# KiCad board AmigaPCI Mainboard.kicad_pcb (continued)
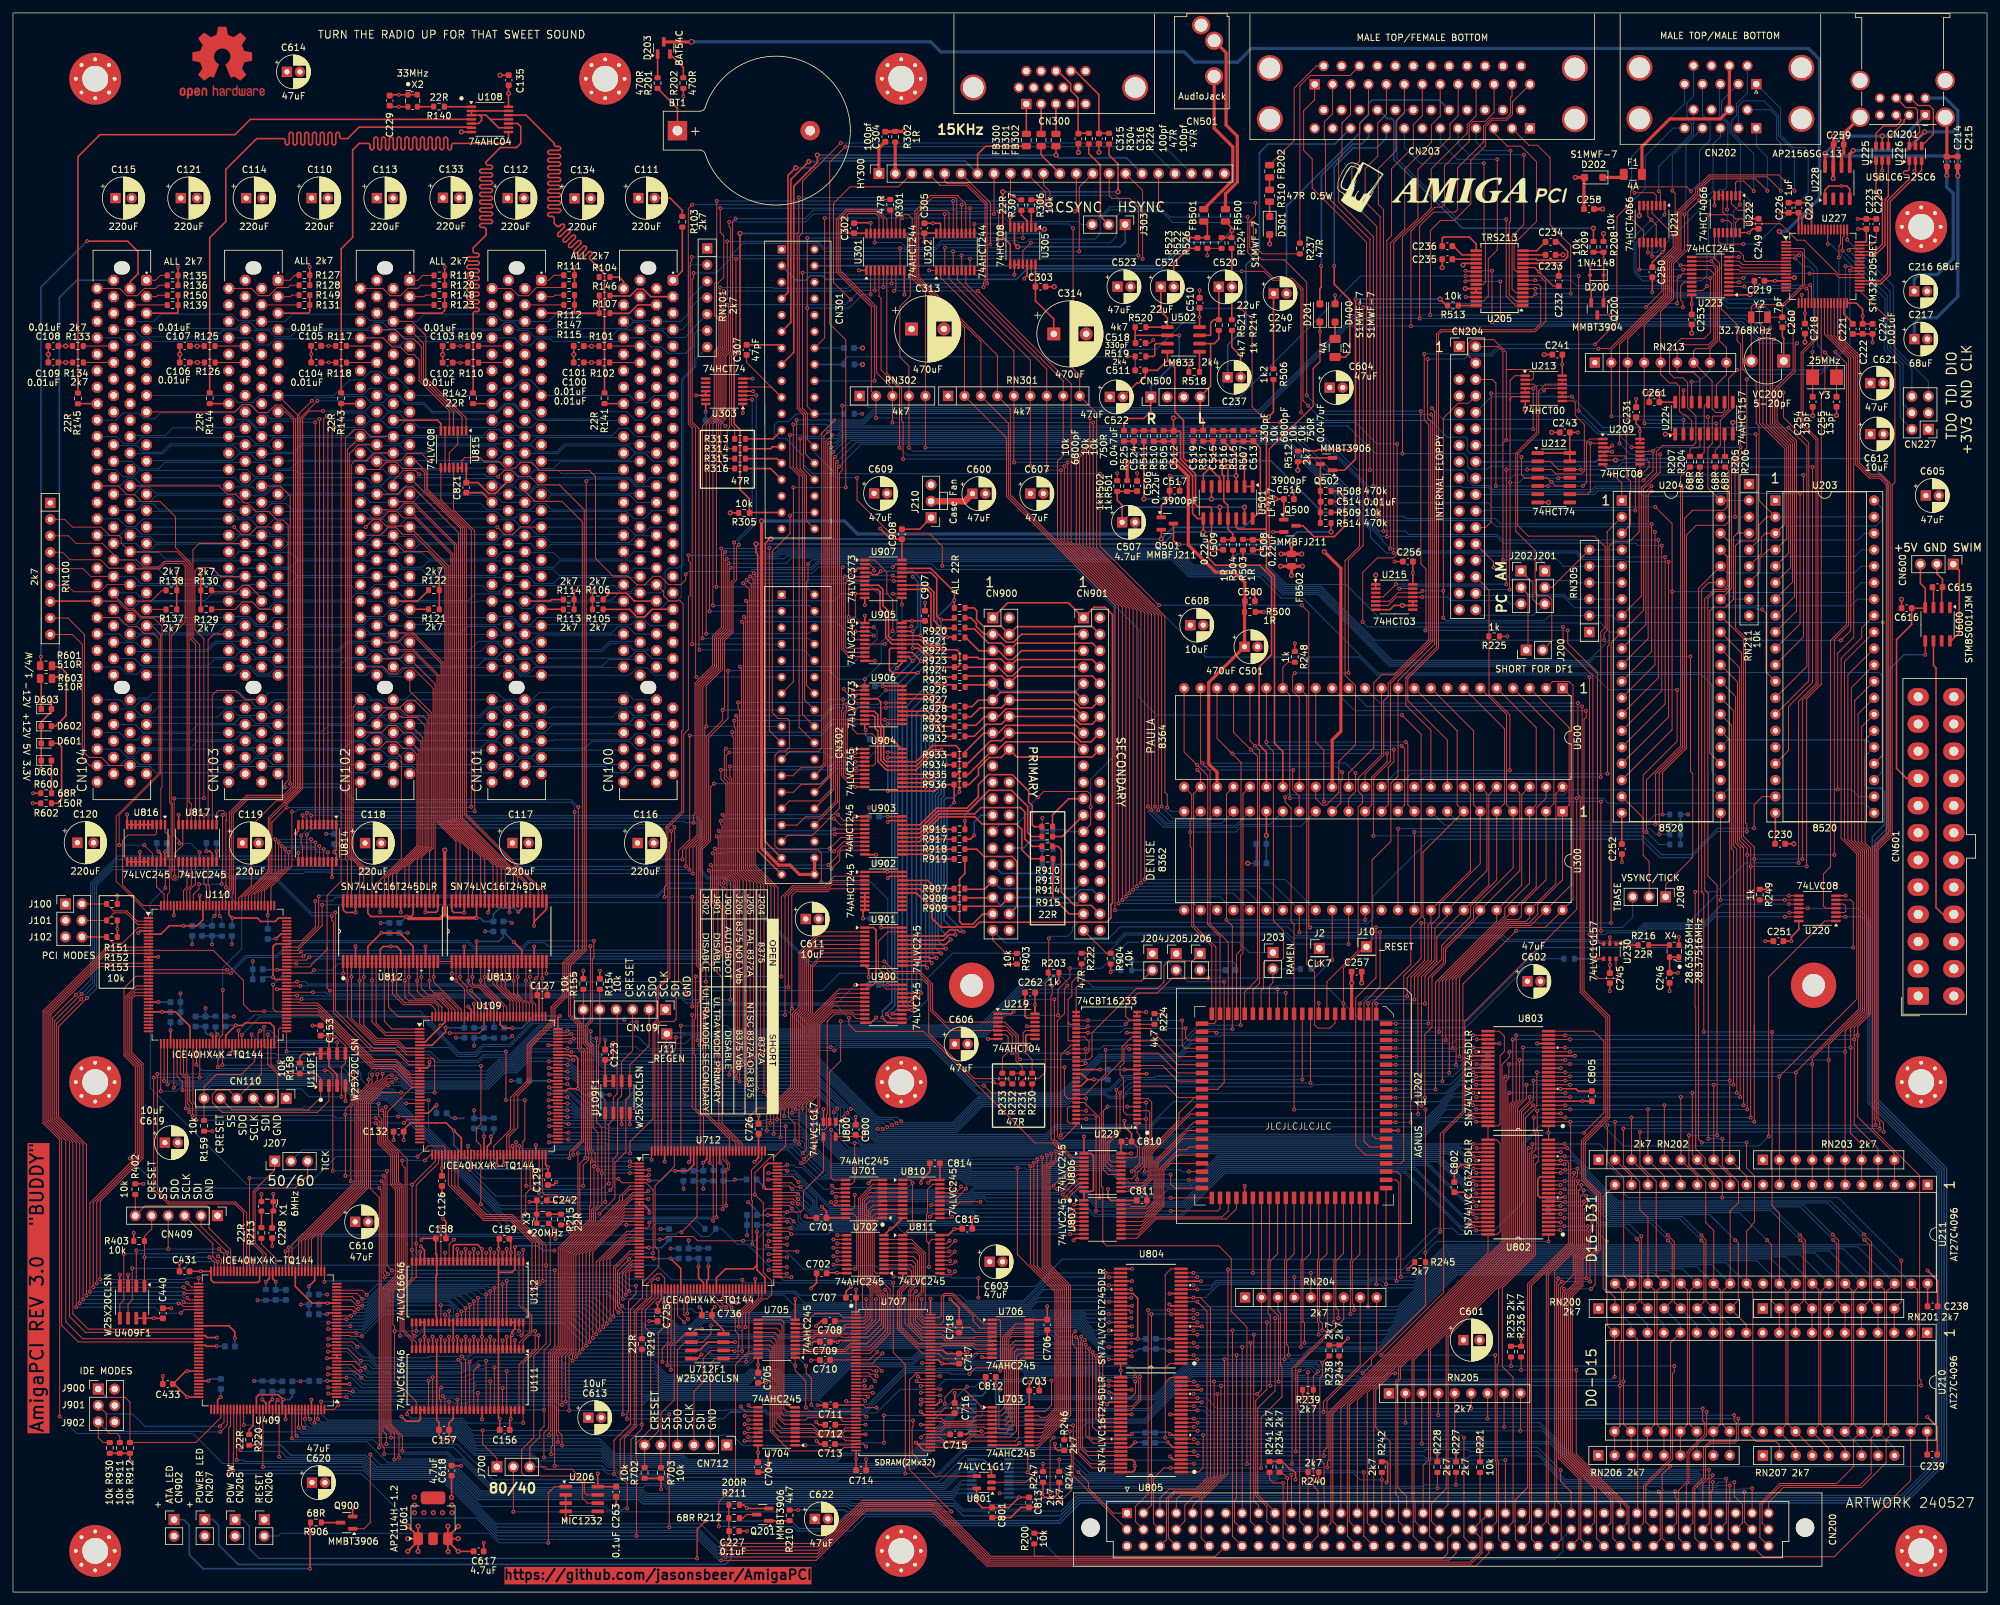
[diagram p0: board, top side]
## Routing (per net, layer and track width the routed paths; a pad name or vN(x,y) marks a point on that pad's centre or on a via; arc(x,y) is an arc through that point) (continued)
  Bottom w0.15: U203.35 285.38,155.86 283.86,154.34 265.17,154.34 U204.35 ; U211.31 269.24,51.16 222.17,51.16 213.31,42.3 v1(204.62,42.3) v1(194.87,42.3) v1(182.28,42.3) ; v1(271.61,86.49) v1(261.06,86.49)
A12: length 182.5
  Top w0.15: CN200.a2 175.79,13.43 v1(175.79,42.92) ; RN207.4 277.81,22.21 U210.32 274.05,25.97 274.05,46.38 U211.32 ; v1(178.82,42.92) 179.14,42.92 179.14,42.93 U804.13 182.87,42.93 v1(182.87,42.93) ; U202.71 206.69,51.38 206.5,51.19 206.5,42.94 v1(206.5,42.93)
  Bottom w0.15: v1(175.79,42.92) v1(178.82,42.92) ; v1(182.87,42.93) v1(206.5,42.93) 213.52,42.93 222.05,51.46 271.48,51.46 U211.32
A13: length 190.3
  Top w0.15: 173.31,12.14 173.31,13.23 175.26,15.19 175.26,43.56 v1(175.27,43.56) ; 173.31,12.14 173.31,10.89 CN200.b2 ; 173.31,12.14 173.31,13.13 ; v1(207.06,43.56) 207.06,44.33 206.8,44.6 206.8,51 207.96,52.16 U202.72 ; v1(182.27,43.56) U804.14 178.44,43.56 v1(178.44,43.56) ; RN207.5 280.35,22.21 U210.33 278.82,25.84 278.82,46.65 U211.33
  Bottom w0.15: v1(182.27,43.56) v1(207.06,43.56) 213.73,43.56 221.93,51.76 273.72,51.76 U211.33 ; v1(175.27,43.56) 178.43,43.56 v1(178.44,43.56)
A14: length 189.6
  Top w0.15: RN207.6 282.89,22.21 U210.34 279.12,25.97 279.12,46.38 U211.34 ; U202.73 v1(209.23,44.08) ; U804.16 v1(182.87,44.83) 184.36,43.34 184.36,17.63 182.6,15.87 178.44,15.87 177.09,14.52 CN200.a3
  Bottom w0.15: v1(182.87,44.83) 183.62,44.08 v1(209.23,44.08) 213.83,44.08 221.81,52.07 275.95,52.07 U211.34
A15: length 195
  Top w0.15: U210.35 283.9,25.84 283.9,46.65 U211.35 ; 180.36,45.46 182.27,45.46 v1(182.28,45.47) 183.33,45.47 184.9,43.9 184.9,17.74 182.73,15.57 179.23,15.57 178.1,14.44 178.1,8.12 CN200.c3 ; U202.74 v1(210.5,47.52)
  Bottom w0.15: U211.35 278.19,52.37 221.69,52.37 216.29,46.97 211.68,46.97 211.13,47.52 v1(210.5,47.52) 186.2,47.52 184.15,45.47 v1(182.28,45.47) ; RN207.7 285.43,22.21 U210.35
A16: length 183.5
  Top w0.15: CN200.c40 269.73,8.45 269.73,13.67 272.82,16.76 281.59,16.76 284.18,19.35 284.18,23.58 U210.36 284.2,25.97 284.2,46.38 U211.36 ; U804.19 182.86,46.74 v1(182.87,46.75) ; U202.75 v1(212.01,47.5)
  Bottom w0.15: v1(182.87,46.75) 184.85,46.75 185.93,47.82 209.48,47.82 209.7,48.05 211.46,48.05 v1(212.01,47.5) 216.39,47.5 221.56,52.67 280.43,52.67 U211.36 ; RN207.8 287.97,22.21 U210.36
A17: length 188.4
  Top w0.15: U211.37 288.99,46.65 288.99,25.84 U210.37 286.9,23.76 286.9,18.27 285.09,16.46 272.94,16.46 270.07,13.59 270.07,10.65 CN200.b40 ; U202.76 213.52,63.65 213.98,63.19 213.98,51.9 213.62,51.54 v1(213.62,48.05) ; v1(182.28,47.37) U804.20
  Bottom w0.15: U211.37 282.64,53 221.47,53 216.52,48.05 v1(213.62,48.05) 213.32,48.35 209.58,48.35 209.35,48.12 185.81,48.12 185.05,47.37 v1(182.28,47.37) ; U210.37 290.51,22.21 RN207.9
A18: length 187.4
  Top w0.15: RN204.4 v1(197.85,48.65) ; v1(182.87,48.65) 181.52,48.65 181.51,48.64 U804.22 ; v1(214.29,48.65) 214.28,48.66 214.28,64.33 213.69,64.92 U202.77 ; CN200.a40 271.07,13.87 273.36,16.16 285.4,16.16 289.22,19.98 289.22,23.54 U210.38 289.29,25.97 289.29,46.38 U211.38
  Bottom w0.15: U211.38 284.87,53.31 221.35,53.31 216.69,48.65 v1(214.29,48.65) v1(197.85,48.65) v1(182.87,48.65)
A19: length 193.7
  Top w0.15: U211.39 294.08,46.63 294.08,25.87 U210.39 293.01,17.25 281.21,5.45 270.19,5.45 CN200.c39 ; v1(191.46,49.28) 191.45,49.29 U202.59 ; v1(200.4,49.28) 200.39,49.27 RN204.5 ; v1(182.27,49.28) 182.26,49.27 U804.23
  Bottom w0.15: U211.39 287.1,53.62 221.24,53.62 216.9,49.28 v1(200.4,49.28) v1(191.46,49.28) v1(182.27,49.28)
A20: length 211.2
  Top w0.15: v1(267.34,15.5) 267.34,10.84 CN200.b39 ; v1(182.33,19.8) 182.32,19.81 U805.3 ; v1(197.48,19.77) 197.48,34.55 202.93,40 RN204.6 ; U229.22 172.81,85.75 171.25,84.19 171.25,82.11 168.44,79.3 168.44,79.3 168.05,78.91 168.05,62.64 168.28,62.41 168.28,54.05 168.86,53.47 186.16,53.47 188.11,51.52 188.11,43.33 190.53,40.91 v1(190.53,19.77)
  Bottom w0.15: v1(182.33,19.8) 182.36,19.77 v1(190.53,19.77) v1(197.48,19.77) 236.41,19.77 239.43,16.75 259.43,16.75 260.68,15.5 v1(267.34,15.5)
A21: length 124.2
  Top w0.15: CN200.c38 264.85,8.25 264.85,13.76 265.07,13.99 265.07,15.72 265.08,15.72 v1(265.08,16.46) ; RN204.7 205.47,42.12 198.07,34.72 v1(198.07,21.71) ; U805.6 v1(182.33,21.71)
  Bottom w0.15: v1(182.33,21.71) v1(198.07,21.71) 217.84,21.71 218.15,22.02 224.64,22.02 224.95,21.71 235.32,21.71 239.68,17.35 243.68,17.35 243.71,17.38 259.65,17.38 260.87,16.16 262.95,16.16 263.25,16.46 v1(265.08,16.46)
A22: length 118.4
  Top w0.15: v1(182.32,28.69) 182.31,28.69 U805.17 ; CN200.a35 258.37,16.49 258.79,16.9 258.79,21.5 261.5,24.22 v1(261.5,27.83) ; v1(202.34,27.83) 202.34,29.38 208.01,35.05 RN204.8
  Bottom w0.15: v1(182.32,28.69) 183.94,28.69 184.8,27.83 v1(202.34,27.83) v1(261.5,27.83)
A23: length 122.4
  Top w0.15: v1(202.39,21.04) 202.39,21.76 202.89,22.26 202.89,29.5 210.55,37.16 RN204.9 ; v1(182.9,21.07) 182.89,21.07 U805.5 ; v1(268.53,16.03) CN200.a39
  Bottom w0.15: v1(268.53,16.03) 268.52,16.02 267.12,16.02 266.96,15.86 260.74,15.86 259.55,17.05 239.55,17.05 235.56,21.04 224.93,21.04 224.56,20.67 218.14,20.67 217.77,21.04 v1(202.39,21.04) 182.93,21.04 v1(182.9,21.07)
A24: length 96.1
  Top w0.15: RN205.2 214.99,26.16 v1(215,26.15) ; CN200.a36 260.91,16.73 261.86,17.68 v1(261.86,18.88) ; U805.13 182.9,26.15 v1(182.91,26.15)
  Bottom w0.15: v1(261.86,18.88) 243.05,18.88 235.78,26.15 v1(215,26.15) v1(182.91,26.15)
A25: length 104.4
  Top w0.15: v1(265.78,16.99) 265.78,14.79 267.04,13.53 267.04,10.7 CN200.b38 ; v1(182.91,22.99) 182.9,22.98 U805.8 ; RN205.3 v1(217.53,22.91)
  Bottom w0.15: v1(265.78,16.99) 263.36,16.99 262.83,16.46 260.99,16.46 259.77,17.68 242.53,17.68 237.3,22.91 v1(217.53,22.91) 182.99,22.91 v1(182.91,22.99)
A26: length 112.3
  Top w0.15: RN205.4 v1(220.07,27.31) ; v1(265.77,27.31) 265.77,26.45 266.1,26.13 266.1,23.68 265.71,23.29 262.01,23.29 261.02,22.31 261.02,17.69 259.37,16.04 259.37,10.65 CN200.b35 ; U805.16 v1(182.9,28.06)
  Bottom w0.15: v1(182.9,28.06) 183.82,28.06 184.57,27.31 v1(220.07,27.31) 265.76,27.31 v1(265.77,27.31)
A27: length 102.2
  Top w0.15: v1(262.45,16.99) 262.45,15.79 262.21,15.55 262.21,8.35 CN200.c37 ; 180.36,23.62 182.33,23.62 v1(182.34,23.61) ; 222.61,30.52 v1(222.61,23.61)
  Bottom w0.15: v1(262.45,16.99) 260.89,16.99 259.9,17.98 242.65,17.98 237.42,23.21 223.53,23.21 223.13,23.61 v1(222.61,23.61) v1(182.34,23.61)
A28: length 107.1
  Top w0.15: CN200.c35 257.18,8.3 257.18,15.72 258.49,17.02 258.49,21.62 261.2,24.34 261.2,26.12 260.89,26.44 v1(260.89,28.36) ; U805.19 182.89,29.96 v1(182.9,29.96) ; RN205.6 v1(225.15,28.35)
  Bottom w0.15: v1(182.9,29.96) 184.28,29.96 185.88,28.35 v1(225.15,28.35) 260.88,28.35 v1(260.89,28.36)
A29: length 115.1
  Top w0.15: U805.14 182.31,26.79 v1(182.32,26.78) ; v1(266.39,26.78) 266.39,23.56 265.83,22.99 262.13,22.99 261.32,22.18 261.32,17.57 259.67,15.92 259.67,8.35 CN200.c36 ; RN205.7 v1(227.69,26.78)
  Bottom w0.15: v1(182.32,26.78) v1(227.69,26.78) v1(266.39,26.78)
A30: length 99.4
  Top w0.15: v1(262.44,18.04) 262.44,17.84 261.91,17.31 261.91,10.65 CN200.b36 ; U805.12 182.31,25.52 v1(182.32,25.51) ; RN205.8 v1(230.23,25.51)
  Bottom w0.15: v1(182.32,25.51) v1(230.23,25.51) 235.97,25.51 242.9,18.58 260.14,18.58 260.68,18.04 v1(262.44,18.04)
A31: length 101.4
  Top w0.15: CN200.b37 264.55,10.75 264.55,17.5 v1(264.54,17.51) ; v1(182.92,24.89) 182.92,24.88 U805.11 ; v1(232.75,24.89) 232.77,24.91 RN205.9
  Bottom w0.15: v1(264.54,17.51) 260.79,17.51 260.02,18.28 242.78,18.28 236.17,24.89 v1(232.75,24.89) v1(182.92,24.89)
AD0: length 109.2
  Top w0.15: U812.40 56.07,109.32 59.96,113.21 59.96,128.93 CN102.A58
  Bottom w0.13: 58.87,130.31 72.26,130.31 73.22,131.27 74.94,131.27 75.9,130.31 78.88,130.31 ; 38.25,130.32 37.16,130.32 34.73,130.32 33.68,131.37 28.43,131.37 27.37,130.31 18.23,130.31 ; 99.35,130.16 96.39,130.16 95.18,131.37 89.38,131.37 88.31,130.3 79.17,130.3 ; 58.57,130.32 55.48,130.32 54.53,131.27 52.18,131.27 51.22,130.31 38.55,130.31
AD1: length 119.7
  Top w0.15: CN102.B58 56.49,130.16 57.63,131.3 59.23,131.3 60.24,130.29 61.45,130.29 62.38,129.36 62.38,115.22 57.34,110.18 U812.38
  Bottom w0.13: 74.1,130.01 77.01,130.01 77.96,129.06 80.19,129.06 81.13,130 ; CN104.B58 16.39,130.16 17.5,129.06 18.54,129.06 19.49,130.01 27.49,130.01 27.65,130.16 CN103.B58 ; 80.2,129.09 81.11,130 94.11,130 ; 53.48,130.01 40.47,130.01 39.52,129.06 37.95,129.06 36.99,130.02 33.47,130.02 ; 53.79,130.02 56.9,130.02 57.86,129.06 59.77,129.06 60.72,130.01 73.81,130.01
AD2: length 111.5
  Top w0.15: U812.37 57.97,110.46 62.68,115.17 62.68,130.02 61.26,131.44
  Bottom w0.13: 20.79,131.6 34.3,131.6 35.24,132.54 36.32,132.54 37.57,131.29 40.8,131.29 ; 81.43,131.28 78.24,131.28 76.97,132.55 75.55,132.55 74.53,131.53 73.4,131.53 73.39,131.52 61.35,131.52 ; 41.04,131.53 54.16,131.53 55.18,132.55 56.65,132.55 57.91,131.29 61.12,131.29 ; 101.89,131.42 99.04,131.42 97.93,132.54 96.13,132.54 95.19,131.6 83.51,131.6 83.34,131.44 81.58,131.44
AD3: length 121.5
  Top w0.15: U812.36 58.61,110.75 62.98,115.12 62.98,123.93 62.98,131.03 62.98,131.28 61.51,132.75 60.25,132.75 59.19,133.82 58.01,133.82 56.9,132.7 CN102.B56
  Bottom w0.13: 53.63,132.7 48.51,132.7 48.38,132.57 40.52,132.57 39.54,131.59 37.71,131.59 36.53,132.77 33.39,132.77 ; CN103.B56 27.71,132.7 27.57,132.57 20.2,132.57 19.22,131.59 17.62,131.59 16.51,132.7 CN104.B56 ; 73.8,132.54 60.13,132.54 59.17,131.59 58.03,131.59 56.77,132.85 53.79,132.85 ; 94.12,132.54 81.13,132.54 80.17,131.58 78.36,131.58 77.09,132.85 74.18,132.85
AD4: length 113.3
  Top w0.15: CN102.A55 63.28,131.96 63.28,115.06 59.25,111.03 U812.35
  Bottom w0.13: 40.8,134.12 37.54,134.12 36.58,135.08 35.1,135.08 34.16,134.14 20.79,134.14 ; 41.04,134.07 54.47,134.07 55.48,135.08 57.27,135.08 58.24,134.11 61.13,134.11 ; 61.43,134.14 75.11,134.14 76.05,135.08 77.5,135.08 78.46,134.12 81.42,134.12 ; 81.75,134.14 95.06,134.14 96,135.08 97.35,135.08 98.47,133.96 101.89,133.96
AD5: length 122.3
  Top w0.13: 63.93,133 63.93,134.69 63.34,135.27 60.94,135.27 59.86,136.35 57.72,136.35 56.18,134.81 CN102.B55
  Top w0.15: U812.32 61.15,112.23 63.93,115.01 63.93,133
  Bottom w0.13: 35.8,133.91 28.49,133.91 27.38,132.8 20.09,132.8 18.91,133.97 CN104.B55 ; 56.05,133.84 48.72,133.84 47.68,132.8 40.37,132.8 39.35,133.82 36.48,133.82 ; 56.28,133.88 59.8,133.88 60.9,132.77 71.72,132.77 72.86,133.91 76.44,133.91 ; 77.12,133.82 80,133.82 81.02,132.8 82.15,132.8 83.26,133.91 96.76,133.91
AD6: length 117.9
  Top w0.13: 60,135.18 60.15,135.04 62.37,135.04 63.07,134.35
  Top w0.15: U812.33 60.51,111.94 63.63,115.06 63.63,133.78 63.07,134.35 ; CN102.A54 59.94,135.24 60,135.18
  Bottom w0.13: 58.61,135.35 55.58,135.35 54.57,136.36 53.17,136.36 51.91,135.1 38.54,135.1 ; 18.23,135.1 31.6,135.1 32.86,136.36 33.79,136.36 34.81,135.34 38.31,135.34 ; 58.86,135.09 72.23,135.09 73.5,136.36 74.92,136.36 75.94,135.34 78.93,135.34 ; 99.2,135.41 95.7,135.41 94.75,136.36 93.82,136.36 92.55,135.09 79.17,135.09
AD7: length 122.7
  Top w0.15: U812.30 62.42,113.14 64.23,114.95 64.23,135.47 62.07,137.63 60.8,137.63 59.78,136.61 56.28,136.61
  Bottom w0.13: 76.67,136.35 79.5,136.35 80.46,135.39 82.06,135.39 83.33,136.66 96.65,136.66 ; 56.31,136.39 59.31,136.39 60.31,135.39 72.11,135.39 73.38,136.66 76.34,136.66 ; 35.93,136.45 39.05,136.45 40.1,135.4 41.43,135.4 42.69,136.66 56.03,136.66 ; 15.69,136.37 18.77,136.37 19.74,135.4 21.12,135.4 22.38,136.66 35.72,136.66
AD8: length 117.3
  Top w0.15: CN102.B52 52.53,136.67 52.53,113.71 55.44,110.8 U812.41
  Bottom w0.13: 74.13,137.62 76.96,137.62 77.9,136.68 79.5,136.68 80.6,137.77 94.27,137.77 ; CN102.B52 55.12,137.78 55.25,137.65 56.9,137.65 57.93,136.62 59.79,136.62 60.96,137.78 CN101.B52 ; CN104.B52 16.52,137.78 17.63,136.68 18.72,136.68 19.82,137.78 CN103.B52 ; 33.46,137.65 36.6,137.65 37.57,136.68 39.19,136.68 40.3,137.78 53.63,137.78
AD9: length 121.6
  Top w0.15: 61.26,141.59 61.26,139.15 64.58,135.83 64.58,114.95 63.06,113.42 63.06,106.7
  Bottom w0.13: 40.94,141.59 54.61,141.59 55.72,142.71 56.88,142.71 58.24,141.35 61.02,141.35 ; 61.26,141.58 74.92,141.58 76.04,142.7 77.13,142.7 78.39,141.44 81.43,141.44 ; 20.62,141.59 34.29,141.59 35.4,142.71 36.5,142.71 37.76,141.45 40.8,141.45 ; 101.89,141.58 99.04,141.58 97.93,142.7 96.35,142.7 95.23,141.58 81.57,141.58
AD10: length 130.7
  Top w0.13: CN102.B48 57.16,142.86 58.27,141.76 59.2,141.76 60.14,142.7 61.72,142.7 64.88,139.54 64.88,139.48
  Top w0.15: U812.27 64.32,114.34 64.88,114.9 64.88,139.48
  Bottom w0.13: 33.26,142.8 20.27,142.8 19.22,141.75 17.62,141.75 16.51,142.86 CN104.B48 ; 53.79,143.01 57,143.01 58.26,141.75 59.68,141.75 60.7,142.77 73.87,142.77 ; 94.17,142.75 80.52,142.75 79.51,141.74 78.57,141.74 77.31,143 74.09,143 ; 33.46,143.01 36.67,143.01 37.93,141.75 39.54,141.75 40.55,142.76 53.54,142.76
AD11: length 122.8
  Top w0.15: CN102.A47 65.18,140.22 65.18,108.1 64.96,107.88 U812.26
  Bottom w0.13: 41.11,144.3 54.54,144.3 55.51,145.27 57,145.27 58,144.27 61.13,144.27 ; 81.46,144.26 78.16,144.26 77.18,145.24 75.57,145.24 74.58,144.25 61.38,144.25 ; 40.78,144.3 37.47,144.3 36.53,145.24 35.11,145.24 34.17,144.3 20.79,144.3 ; 81.66,144.22 95.15,144.22 96.17,145.24 97.54,145.24 98.66,144.12 101.89,144.12
AD12: length 131.4
  Top w0.13: CN102.B47 59.7,144.13 60.81,145.24 61.72,145.24 65.48,141.48 65.48,141.12
  Top w0.15: U813.47 68.4,115.94 65.48,118.86 65.48,141.12
  Bottom w0.13: CN104.B47 18.79,144.13 19.9,143.03 30.09,143.03 31.13,144.07 35.8,144.07 ; 56.12,144.07 51.44,144.07 50.36,142.99 40.53,142.99 39.48,144.04 35.95,144.04 ; 56.28,144.04 59.65,144.04 60.66,143.03 71.83,143.03 72.82,144.02 76.39,144.02 ; 96.68,143.99 92,143.99 90.99,142.98 80.97,142.98 79.92,144.03 76.58,144.03
AD13: length 128.9
  Top w0.15: 58.82,145.5 61.83,145.5 65.8,141.53 65.8,118.9 69.04,115.66 U813.46
  Bottom w0.13: 99.25,145.49 95.77,145.49 94.75,146.51 92.27,146.51 91.01,145.25 79.17,145.25 ; 18.23,145.26 30.07,145.26 31.33,146.52 33.81,146.52 34.83,145.5 38.31,145.5 ; 38.54,145.26 50.38,145.26 51.64,146.52 54.12,146.52 55.14,145.5 58.62,145.5 ; 58.86,145.25 72.23,145.25 73.5,146.52 74.92,146.52 75.94,145.5 78.93,145.5
AD14: length 134.7
  Top w0.13: 60.52,147.79 59.41,146.67 CN102.B45
  Top w0.15: U813.44 70.31,114.74 66.1,118.95 66.1,143.42 61.73,147.79 60.52,147.79
  Bottom w0.13: 15.64,146.58 19.09,146.58 20.11,145.56 29.95,145.56 31.21,146.82 35.72,146.82 ; 76.34,146.82 71.85,146.82 70.58,145.55 60.74,145.55 59.74,146.55 56.29,146.55 ; 56.03,146.82 51.51,146.82 50.25,145.56 40.42,145.56 39.4,146.58 35.95,146.58 ; 96.66,146.81 92.15,146.81 90.89,145.55 81.05,145.55 80.03,146.57 76.58,146.57
AD15: length 131.8
  Top w0.15: 58.87,148.09 61.85,148.09 66.4,143.54 66.4,119 70.94,114.46 U813.43
  Bottom w0.13: 58.86,148.08 69.13,148.08 70.13,149.08 74.51,149.08 75.51,148.08 78.89,148.08 ; 58.63,148.04 55.11,148.04 54.1,149.05 42.66,149.05 41.7,148.09 38.55,148.09 ; 79.17,148.08 92.39,148.08 93.39,149.08 94.93,149.08 96.07,147.94 99.35,147.94 ; 18.23,148.09 31.64,148.09 32.6,149.05 33.78,149.05 34.74,148.09 38.26,148.09
AD16: length 147.9
  Top w0.13: 61.64,160.66 60.41,160.66 58.72,162.34 CN102.A32
  Top w0.15: U813.41 72.21,113.54 66.7,119.06 66.7,158.06 64.09,160.66 61.64,160.66
  Bottom w0.13: 18.24,163.03 21.12,163.03 22.07,162.08 33.93,162.08 34.96,163.11 38.33,163.11 ; 79.18,163.02 81.11,163.02 81.12,163.03 82.05,163.03 83,162.08 95.16,162.08 96.19,163.11 99.29,163.11 ; 58.87,163.02 61.75,163.02 62.74,162.03 74.38,162.03 75.45,163.1 78.96,163.1 ; 38.55,163.03 41.43,163.03 42.38,162.08 54.58,162.08 55.62,163.12 58.66,163.12
AD17: length 153.7
  Top w0.13: 60.94,163.33 60.14,163.33 59.1,164.37 57.86,164.37 56.68,163.19 CN102.B32
  Top w0.15: 60.94,163.33 61.85,163.33 67,158.18 67,119.11 72.85,113.26 U813.40
  Bottom w0.13: 33.48,163.34 36.52,163.34 37.47,164.29 38.86,164.29 39.82,163.33 53.49,163.33 ; CN104.B32 16.52,163.19 17.63,164.29 18.96,164.29 19.92,163.33 33.18,163.33 ; 53.81,163.35 57.03,163.35 57.97,164.29 59.18,164.29 60.15,163.32 73.83,163.32 ; 74.11,163.33 77.15,163.33 78.11,164.29 79.89,164.29 80.85,163.33 94.11,163.33
AD18: length 148.1
  Top w0.13: 77.23,163.33 78.35,164.45 CN101.A31 ; CN103.A31 37.72,164.45 36.6,163.34 35.27,163.34 v1(34.15,164.46)
  Top w0.15: v1(54.45,164.45) 55.59,165.59 56.63,165.59 57.61,164.61 60.2,164.61 60.35,164.45 CN102.A31 67.3,158.42 67.3,119.16 74.12,112.35 U813.38 ; 77.23,163.33 75.9,163.33 v1(74.78,164.45)
  Bottom w0.13: v1(74.78,164.45) 74.76,164.45 74.77,164.44 61.26,164.44 ; CN104.A31 34.13,164.45 34.13,164.46 v1(34.15,164.46) ; 101.89,164.44 98.39,164.44 97.29,163.34 95.96,163.34 94.85,164.44 81.57,164.44 ; CN103.A31 v1(54.45,164.45)
AD19: length 158.6
  Top w0.13: 53.75,165.83 57,165.83 58.02,166.85 59.28,166.85 60.26,165.87 62,165.87 67.6,160.27 67.6,159.63
  Top w0.15: 67.6,159.63 67.6,119.22 74.75,112.06 U813.37
  Bottom w0.13: 94.27,165.71 80.78,165.71 79.61,164.55 78.37,164.55 77.35,165.57 76.18,165.57 76.46,165.57 74.12,165.57 ; CN101.B30 60.74,165.72 59.62,164.61 58.26,164.61 57.24,165.63 53.74,165.63 ; CN103.B30 20.09,165.72 18.92,164.55 17.44,164.55 16.26,165.72 CN104.B30 ; 53.63,165.72 40.32,165.72 39.15,164.55 37.75,164.55 36.73,165.57 33.48,165.57
AD20: length 149.9
  Top w0.15: CN102.A29 67.9,160.36 67.9,119.27 75.39,111.78 U813.36
  Bottom w0.13: 101.89,166.98 98.68,166.98 97.41,165.72 95.85,165.72 94.71,166.86 81.72,166.86 ; 40.85,166.9 38,166.9 36.99,165.89 34.72,165.89 33.75,166.86 20.76,166.86 ; 81.48,166.89 78.63,166.89 77.62,165.88 75.61,165.88 74.66,166.83 61.43,166.83 ; 61.11,166.84 57.59,166.84 56.64,165.89 55.47,165.89 54.5,166.86 41.08,166.86
AD21: length 157
  Top w0.13: 68.2,161.38 68.2,161.62 61.7,168.12 60.41,168.12 59.38,167.09 56.28,167.09
  Top w0.15: U813.35 76.02,111.5 68.2,119.32 68.2,161.38
  Bottom w0.13: 56.33,167.14 59.85,167.14 60.84,168.13 72.15,168.13 73.15,167.13 76.37,167.13 ; 35.77,167.09 22.58,167.09 21.57,168.1 20.17,168.1 19.06,166.99 CN104.B29 ; 96.73,167.09 83.14,167.09 82.13,168.1 80.87,168.1 79.89,167.12 76.63,167.12 ; 56.08,167.09 43.21,167.09 42.2,168.1 39.94,168.1 38.97,167.13 36,167.13
AD22: length 155.4
  Top w0.15: 58.82,168.36 61.83,168.36 68.5,161.69 68.5,119.38 77.29,110.59 U813.33
  Bottom w0.13: 58.71,168.26 55.21,168.26 54.1,169.38 42.47,169.38 41.45,168.36 38.49,168.36 ; 58.82,168.36 61.78,168.36 62.8,169.38 74.43,169.38 75.55,168.25 79.04,168.25 ; 99.35,168.25 96.36,168.25 95.24,169.38 83.11,169.38 82.15,168.42 79.2,168.42 ; 18.18,168.36 21.14,168.36 22.16,169.38 33.79,169.38 34.9,168.26 CN103.A28
AD23: length 160.6
  Top w0.13: 60.53,170.65 59.41,169.53 CN102.B27 ; 68.8,119.92 68.8,119.42 77.93,110.29 U813.32
  Top w0.15: 68.8,119.92 68.8,163.58 61.73,170.65 60.53,170.65
  Bottom w0.13: 35.72,169.68 22.06,169.68 21.09,170.65 19.86,170.65 18.65,169.44 15.64,169.44 ; 76.34,169.68 62.7,169.68 61.73,170.65 60.77,170.65 59.55,169.43 56.27,169.43 ; 56.03,169.68 42.38,169.68 41.41,170.65 40.25,170.65 38.99,169.39 36,169.39 ; 96.75,169.61 83.09,169.61 82.05,170.65 81.12,170.65 81.11,170.64 80.88,170.64 79.62,169.38 76.63,169.38
AD24: length 157.3
  Top w0.15: U813.30 79.2,109.36 69.1,119.46 69.1,164.24 CN102.A25
  Bottom w0.13: 40.8,171.93 37.41,171.93 36.44,170.96 35.4,170.96 34.29,172.07 CN104.A25 ; 81.43,171.92 78.04,171.92 77.07,170.95 75.24,170.95 74.23,171.96 70.06,171.96 69.95,172.06 61.26,172.06 ; 81.57,172.06 87.98,172.06 88.07,172.16 95.18,172.16 96.37,170.97 97.28,170.97 98.38,172.06 101.89,172.06 ; 61.19,172 57.99,172 56.95,170.96 55.72,170.96 54.61,172.07 CN103.A25
AD25: length 169.3
  Top w0.13: 69.4,163.47 69.4,164.28 63.56,170.11 63.56,172.83
  Top w0.15: 63.56,172.83 62.92,173.48 60.17,173.48 59.18,174.47 57.64,174.47 56.51,173.34 CN102.B24 ; U813.29 79.83,109.08 69.4,119.51 69.4,163.47
  Bottom w0.13: 53.63,173.34 53.04,172.75 44.01,172.75 43.55,173.21 40.52,173.21 39.54,172.23 37.28,172.23 36.16,173.34 33.31,173.34 ; CN102.B24 57.15,173.34 58.26,172.23 59.86,172.23 60.9,173.27 67.09,173.27 67.37,173.55 73.76,173.55 ; 33.16,173.18 19.5,173.18 18.55,172.23 16.97,172.23 15.85,173.34 CN104.B24 ; 73.95,173.33 77.09,173.33 78.2,172.22 79.49,172.22 80.5,173.24 84.15,173.24 84.64,172.74 93.67,172.74 94.27,173.33
AD26: length 160.6
  Top w0.13: 69.7,163.86 69.7,164.3 63.81,170.2 63.81,173.02
  Top w0.15: U813.27 81.1,108.66 69.7,120.07 69.7,163.86 ; 63.81,173.02 62.21,174.61 CN102.A23
  Bottom w0.13: 61.13,174.75 57.86,174.75 56.86,175.75 55.43,175.75 54.46,174.78 42.9,174.78 42.76,174.64 40.97,174.64 ; 20.72,174.71 33.82,174.71 34.83,175.72 36.72,175.72 37.66,174.78 40.78,174.78 ; 81.52,174.68 78.2,174.68 77.06,175.82 75.82,175.82 74.75,174.75 61.4,174.75 ; 101.89,174.6 98.88,174.6 97.74,175.75 95.95,175.75 94.98,174.78 81.75,174.78
AD27: length 168
  Top w0.13: 70,163.89 70,164.33 64.04,170.29 64.04,172.7 64.05,172.71 64.05,174.86 63.1,175.81 60.9,175.81 59.86,174.77 56.34,174.77
  Top w0.15: U813.26 81.74,108.38 70,120.12 70,163.89
  Bottom w0.13: 76.64,174.45 80.19,174.45 81.13,173.51 83.5,173.51 84.54,174.55 95.44,174.55 95.51,174.61 CN100.B23 ; 76.34,174.45 67.85,174.45 66.9,173.5 60.82,173.5 59.8,174.52 56.28,174.52 ; 35.7,174.45 23.49,174.45 22.48,173.44 19.57,173.44 18.39,174.61 CN104.B23 ; 56.12,174.55 43.9,174.55 42.79,173.44 39.89,173.44 38.87,174.46 36.01,174.46
AD28: length 159.4
  Top w0.13: 54.57,174.7 52.81,174.7 52.23,174.12 52.23,173.44
  Top w0.15: U812.43 54.16,111.72 52.23,113.66 52.23,173.44 ; CN102.A22 55.84,175.88 54.66,174.7 54.57,174.7
  Bottom w0.13: 58.62,175.98 55.39,175.98 54.37,177 44.66,177 43.44,175.78 38.51,175.78 ; 38.31,175.98 35.08,175.98 34.06,177 24.35,177 23.13,175.78 18.19,175.78 ; 99.2,176.05 98.08,176.05 98.08,176.05 95.95,176.05 95,176.99 85.29,176.99 84.12,175.82 79.11,175.82 ; 78.88,176.05 75.38,176.05 74.43,177 73.5,177 73.49,176.99 64.98,176.99 63.76,175.77 58.84,175.77
AD29: length 158.5
  Top w0.15: 56.18,177.16 53.34,177.16 51.93,175.75 51.93,113.6 53.53,112 U812.44
  Bottom w0.13: 76.35,177.29 74.56,177.29 74.55,177.3 73.38,177.3 73.37,177.29 64.85,177.29 63.56,176 60.83,176 59.82,177.01 56.32,177.01 ; 76.63,177.01 80.13,177.01 81.09,176.05 83.92,176.05 85.16,177.29 96.66,177.29 ; 15.68,177.02 19.19,177.02 20.19,176.01 22.93,176.01 24.22,177.3 35.72,177.3 ; 56.03,177.3 44.53,177.3 43.24,176.01 40.5,176.01 39.5,177.02 35.99,177.02
AD30: length 164.9
  Top w0.13: 51.33,177.62 51.33,178.18 52.69,179.54 54.09,179.54 55.21,178.42 CN102.A20
  Top w0.15: 51.33,177.62 51.33,113.19 51.62,112.89 U812.47
  Bottom w0.13: 18.23,178.57 23.48,178.57 24.68,179.77 34.37,179.77 35.4,180.81 36.33,180.81 38.4,178.74 ; 58.87,178.57 72.55,178.57 73.51,179.53 75.09,179.53 76.04,178.58 78.89,178.58 ; 58.63,178.52 55.11,178.52 54.1,179.53 52.87,179.53 51.91,178.57 38.55,178.57 ; 79.18,178.57 92.5,178.57 93.66,179.73 94.94,179.73 96.25,178.41 99.35,178.41
AD31: length 156.4
  Top w0.15: CN102.B20 51.63,176.41 51.63,113.55 52.26,112.92 U812.46
  Bottom w0.13: 53.78,178.29 57.3,178.29 58.27,177.32 59.85,177.32 60.8,178.27 73.81,178.27 ; 74.13,178.26 77.2,178.26 78.15,177.31 79.92,177.31 80.89,178.27 94.1,178.27 ; 53.48,178.27 40.24,178.27 39.29,177.32 37.52,177.32 36.41,178.42 33.31,178.42 ; CN104.B20 15.97,178.42 17.08,177.32 18.98,177.32 19.93,178.27 33.17,178.27
ADLATCH: length 67.3
  Top w0.13: U112.2 78.13,44.28 79.81,42.61 79.81,40.19 78.13,38.52 U111.2
  Top w0.15: U109.39 65.73,66.27 62.26,62.8 v1(62.26,53.8) U112.27 62.26,48.69 60.38,46.8 60.38,40.46 62.26,38.58 U111.27 ; v1(78.14,52.33) 78.13,52.32 U112.2
  Bottom w0.15: v1(62.26,53.8) 62.26,52.33 63.1,51.49 77.3,51.49 v1(78.14,52.33)
AgnusCLK: length 60.7
  Top w0.15: U202.34 185.65,86.51 v1(185.81,86.35)
  Bottom w0.15: v1(185.81,86.35) 212.7,86.35 213.48,87.13 224.28,87.13 234.94,97.79 R217.1
ALATCH: length 83.9
  Top w0.15: v1(80.63,40.31) 80.63,37.61 78.13,35.12 U111.55 ; v1(62.27,40.3) 62.26,40.31 U112.30 ; v1(60.1,66.66) 60.1,65.95 60.55,65.5 60.55,48.25 58.67,46.37 58.67,41.29 58.92,41.04 v1(58.92,40.3) 58.92,32.76 62.26,29.42 U111.30 ; U109.37 64.49,67.53 v1(63.62,66.66) ; v1(78.14,40.3) 78.13,40.31 U112.55
  Bottom w0.15: v1(58.92,40.3) v1(62.27,40.3) 62.78,40.3 63.06,40.58 77.86,40.58 v1(78.14,40.3) 78.15,40.31 v1(80.63,40.31) ; v1(60.1,66.66) v1(63.62,66.66)
AUDIN: length 11.6
  Top w0.25: C240.1 194.64,199.13 194.62,199.11 R506.1
AUDIO: length 185.6
  Top w0.15: C517.2 180.13,171.24 ; C510.2 v1(183.22,201.01) ; v1(184.42,206.37) 184.41,206.38 R523.1 R526.1 ; C511.1 R519.2 v1(172.13,190.8) ; C519.1 182.24,176.58 v1(182.25,176.57) ; R502.2 v1(170.5,172.76) ; 185.55,160.94 v2(185.54,160.94) ; 197.77,169.97 v1(197.77,169.98) ; C506.2 v1(173.57,172.77) ; v1(204.64,168.37) 204.64,168.37 C514.2 ; v1(176.07,193.35) 175.58,192.86 C518.1 ; R518.2 v1(181.55,189.66)
  Top w0.25: C509.1 185.55,160.94 ; C516.2 197.77,169.97 ; C508.2 v2(192.77,160.94)
  Top w0.5: v2(202.47,160.65) 205.03,158.09 205.03,132.91 203.69,131.57 U500.34 ; v2(115.58,165.39) 115.58,114.89 118.23,112.25 119.99,112.25 121.43,110.81 CN302.36 CN302.34 ; FB502.1 v2(198.98,160.3) ; FB502.1 v2(195.78,160.3) ; FB502.1 v2(197.4,161.71)
  Bottom w0.5: v2(115.58,165.39) 128.39,165.39 130.4,163.38 172.58,163.38 173.25,164.06 C507.2
  vias: v1(180.14,171.25)
